# Altium PCB THE_FIRST.PcbDoc (part 1 of 2) (continued)
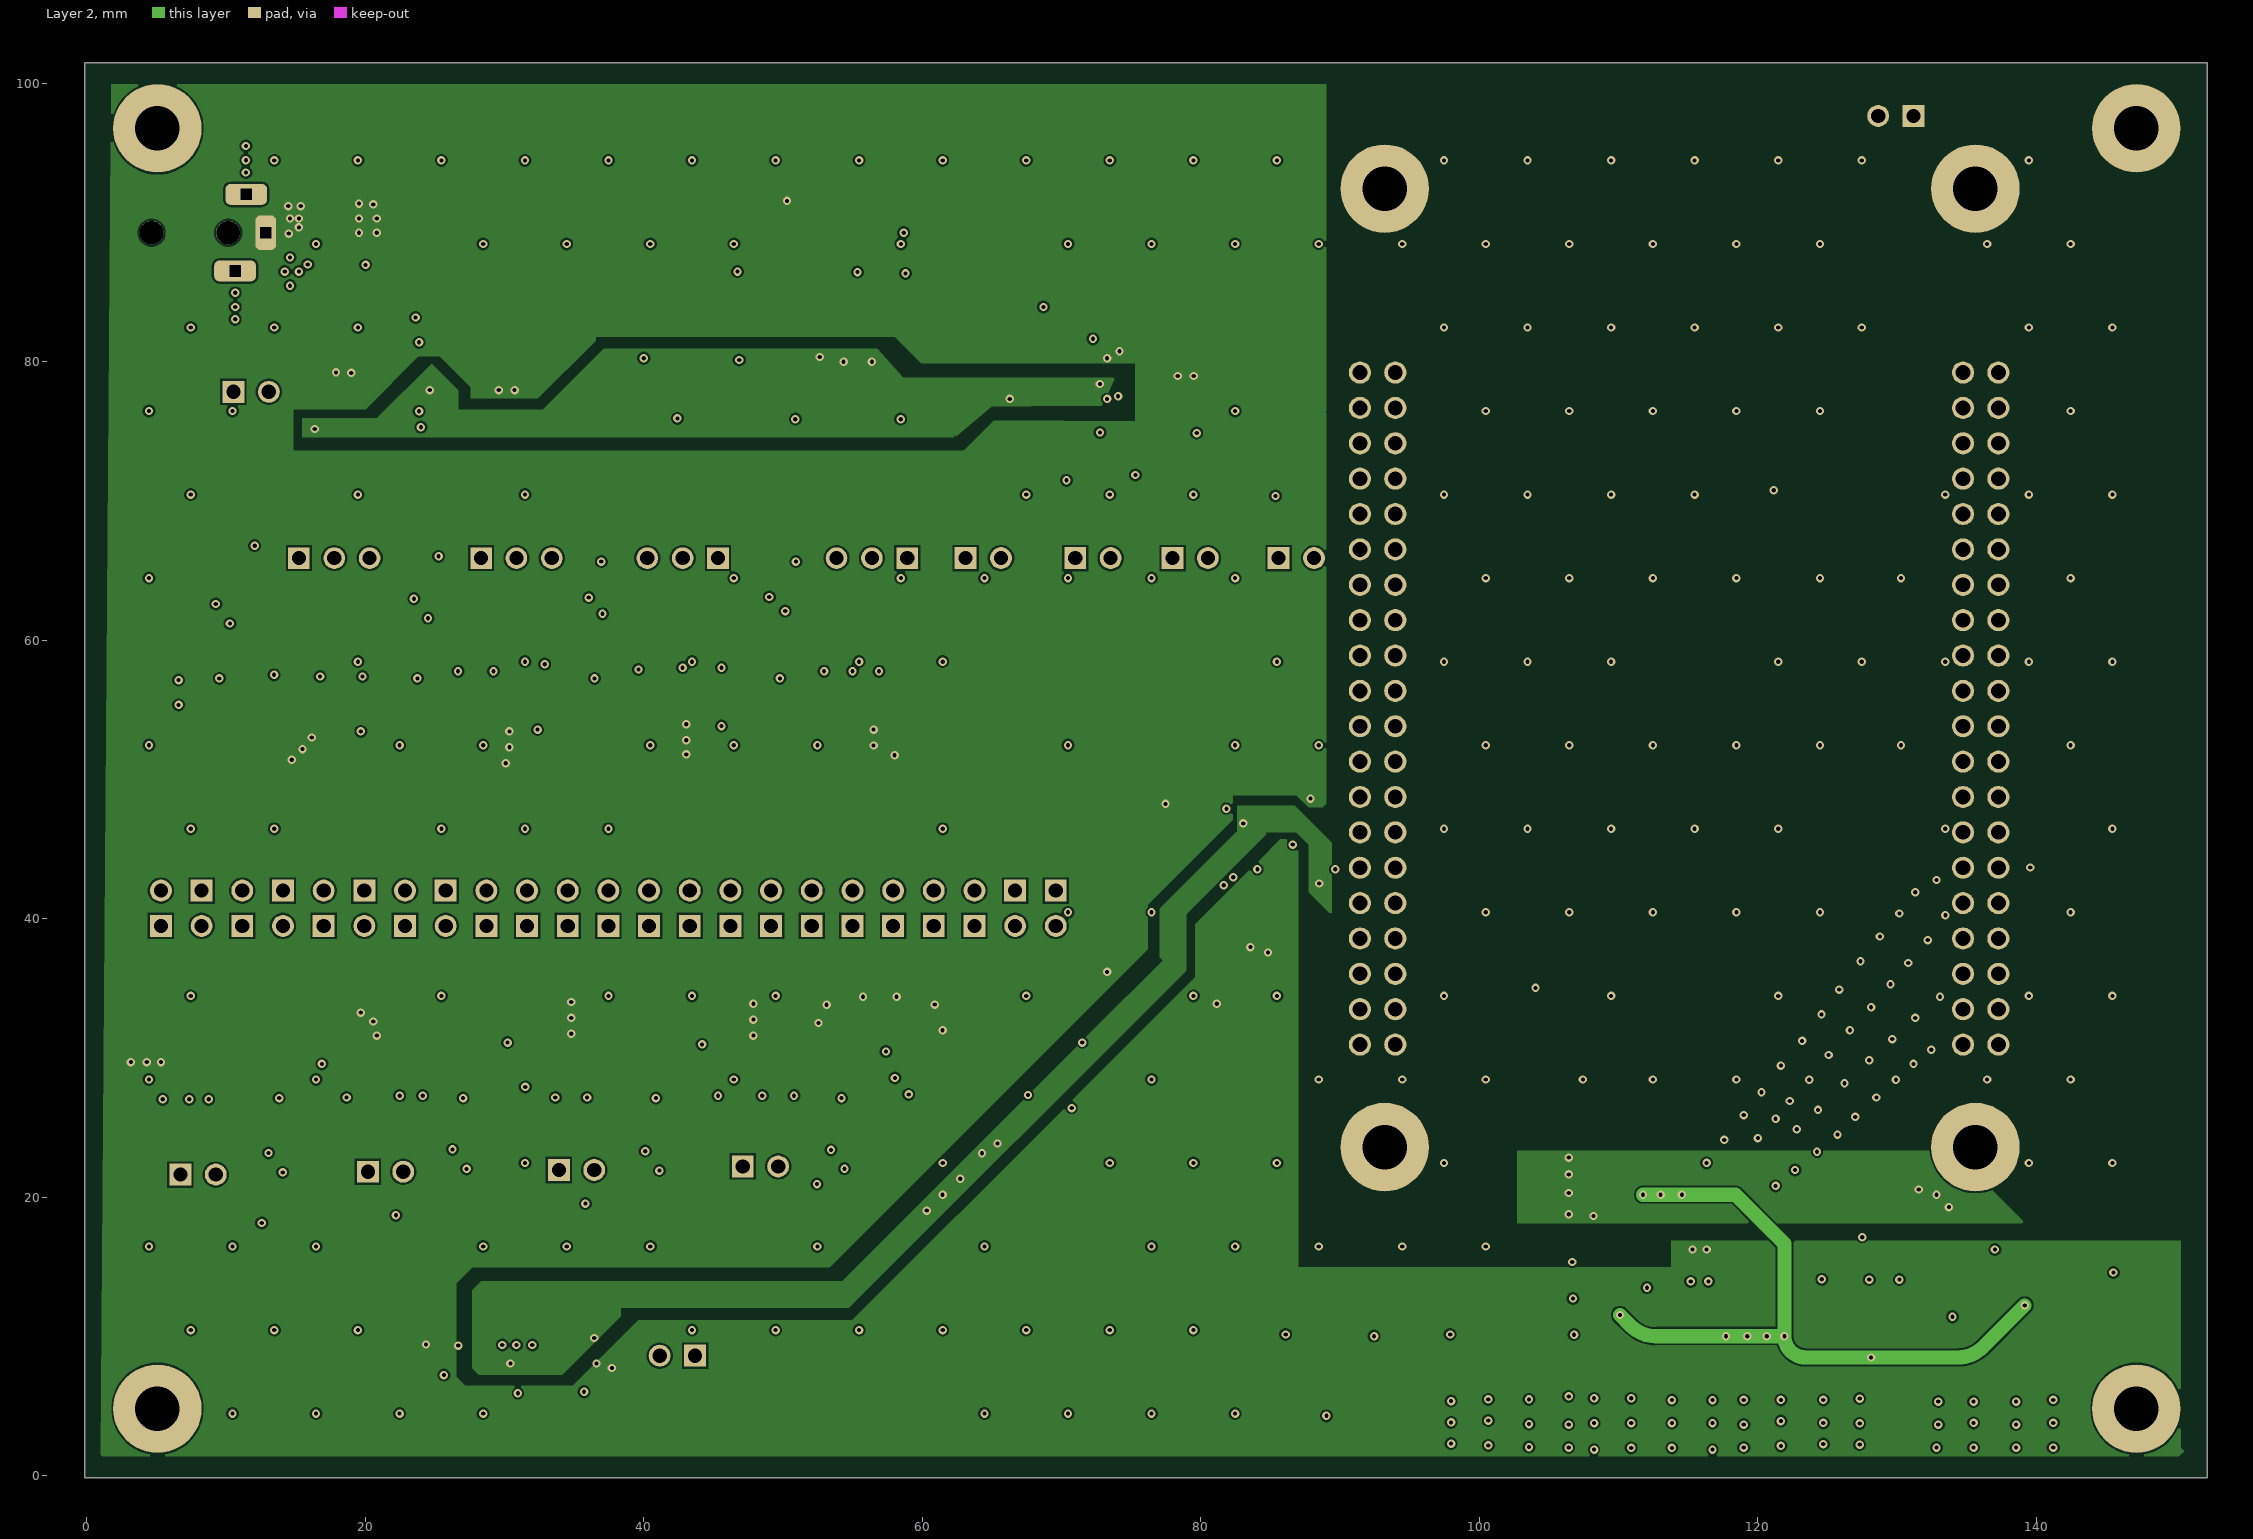
[diagram p3: Layer 2]
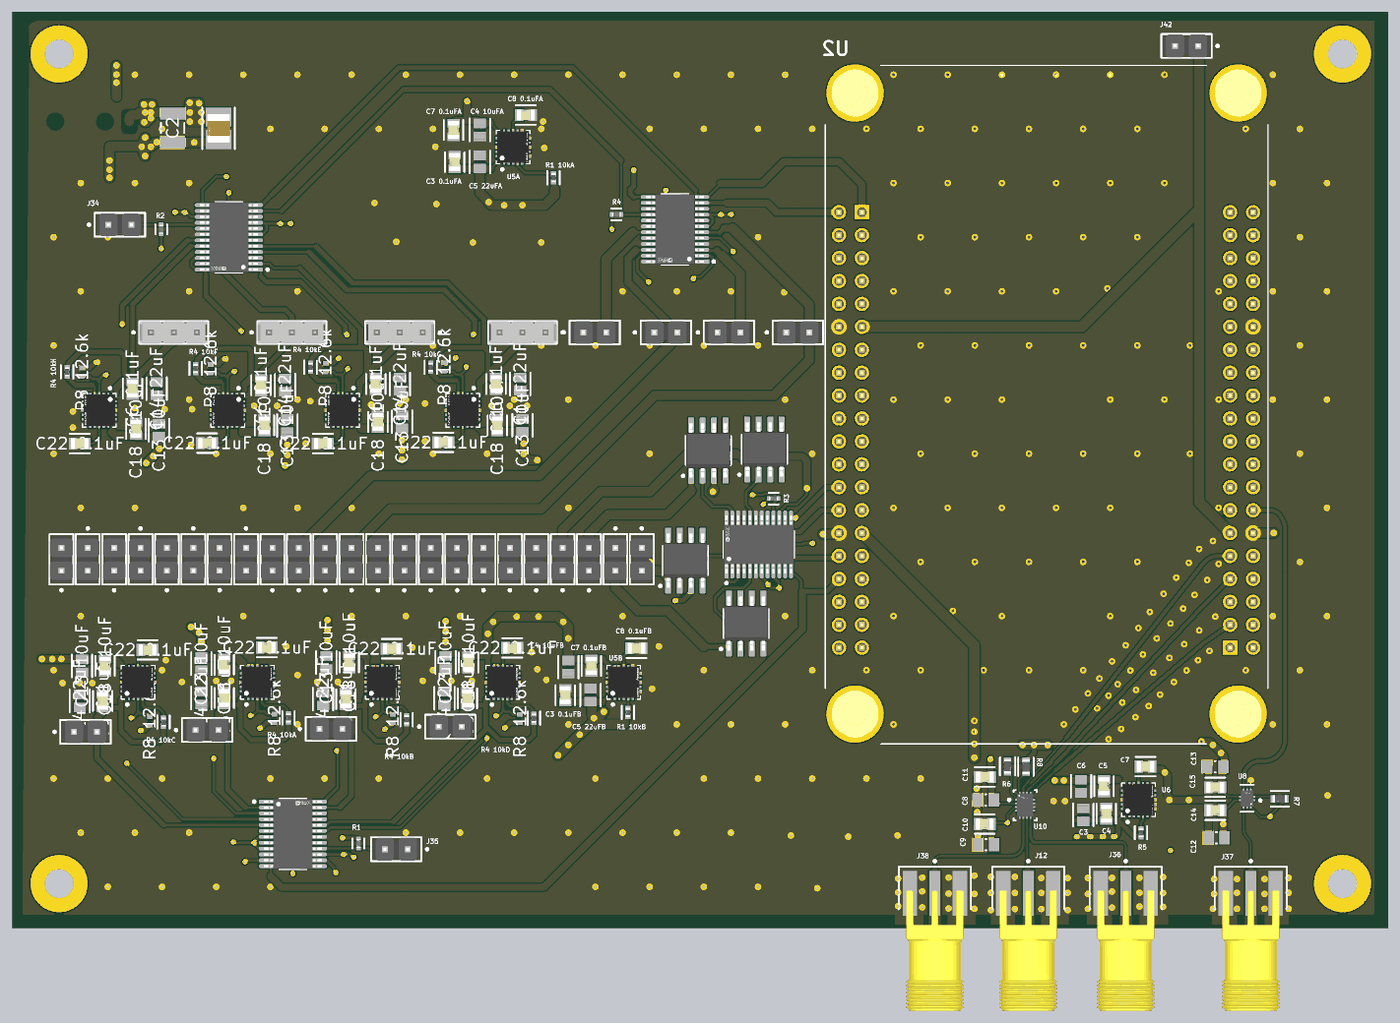
[diagram p5: 3D render of the assembled board from above, using the file's embedded part models]

## Layer stack, top to bottom
Top Solder: solder mask 0.0102, Solder Resist, Dk 3.5
Top Layer: signal copper 0.035
Dielectric 2: prepreg 0.105, PP-016, Dk 4.4
Layer 1: signal copper 0.035
Core: core 1.2, Core-042, Dk 4.6
Layer 2: signal copper 0.035
Dielectric 3: prepreg 0.105, PP-016, Dk 4.4
Bottom Layer: signal copper 0.035
Bottom Solder: solder mask 0.0102, Solder Resist, Dk 3.5

## Board outline
-0.127,-0.127 152.273,-0.127 152.273,101.473 -0.127,101.473

## Design rules (kind name [scope] priority, off if disabled: settings)
BoardOutlineClearance [All] p1: gap=0.4 ignorepadtopadclearanceinfootprint=FALSE
Clearance [All] p1: gap=0.15 ignorepadtopadclearanceinfootprint=TRUE
ComponentClearance [All] p1: gap=0 collisioncheckmode=3 verticalgap=0 showdistances=FALSE
ComponentOrientations [All] p1: allowedrotations=32
HoleSize [All] p1: absolutevalues=TRUE maxlimit=10 minlimit=0.1 maxpercent=80.000 minpercent=20.000
HoleToHoleClearance [All] p1: gap=0.15 allowstackedmicrovias=TRUE
Length [All] p1 off: maxlimit=50 minlimit=0
MatchedLengths [All] p1 off: tolerance=0 checknetsindiffpair=FALSE checkdiffpairvsdiffpair=TRUE checkxsignals=TRUE checkothers=TRUE
MaximumViaCount [All] p1 off: limit=1000
MinimumAnnularRing [All] p1: minimumring=0.1
MinimumSolderMaskSliver [All] p1: minsoldermaskwidth=0.08
ParallelSegment [All] p1 off: limit=254 gap=0.254
PermittedLayers [All] p1: toplayerpermitted=TRUE bottomlayerpermitted=TRUE
PlaneClearance [All] p1: clearance=0.3
PlaneConnect [All] p1: planeconnectstyle=Direct reliefexpansion=0.508 reliefentries=4 reliefconductorwidth=0.254 reliefairgap=0.254
PolygonConnect [All] p1: connectstyle=Direct reliefconductorwidth=0.254 reliefentries=4 polygonreliefangle="90 Angle" airgapwidth=0.254
ReturnPath [All] p1 off: impedanceprofileid={FDE4D1B7-3BA4-4A09-95AE-B8DD30F6AE46} _gaplimit=0 _useantipads=TRUE
RoomDefinition U_ldo1 [InComponentClass('U_ldo1')] p1: confinementstyle=ConfineIn formatcopy=TRUE lockcomponents=FALSE outline 19.558,22.098 31.369,22.098 31.369,32.258 19.558,32.258
RoomDefinition U_ldo7 [InComponentClass('U_ldo7')] p2: confinementstyle=ConfineIn formatcopy=TRUE lockcomponents=FALSE outline 45.339,52.451 57.658,52.451 57.658,63.119 45.339,63.119
RoomDefinition U_ldo5 [InComponentClass('U_ldo5')] p3: confinementstyle=ConfineIn formatcopy=TRUE lockcomponents=FALSE outline 32.004,52.324 44.323,52.324 44.323,63.119 32.004,63.119
RoomDefinition U_ldo6 [InComponentClass('U_ldo6')] p4: confinementstyle=ConfineIn formatcopy=TRUE lockcomponents=FALSE outline 19.304,52.451 31.623,52.451 31.623,62.992 19.304,62.992
RoomDefinition U_ldo8 [InComponentClass('U_ldo8')] p5: confinementstyle=ConfineIn formatcopy=TRUE lockcomponents=FALSE outline 5.08,52.324 17.399,52.324 17.399,62.611 5.08,62.611
RoomDefinition U_LDO3.32 [InComponentClass('U_LDO3.32')] p6: confinementstyle=ConfineIn formatcopy=TRUE lockcomponents=FALSE outline 59.817,22.733 70.612,22.733 70.612,32.131 59.817,32.131
RoomDefinition U_ldo4 [InComponentClass('U_ldo4')] p7: confinementstyle=ConfineIn formatcopy=TRUE lockcomponents=FALSE outline 46.482,22.098 58.547,22.098 58.547,32.131 46.482,32.131
RoomDefinition U_LDO3.31 [InComponentClass('U_LDO3.31')] p8: confinementstyle=ConfineIn formatcopy=TRUE lockcomponents=FALSE outline 47.498,82.042 60.706,82.042 60.706,91.186 47.498,91.186
RoomDefinition U_ldo3 [InComponentClass('U_ldo3')] p9: confinementstyle=ConfineIn formatcopy=TRUE lockcomponents=FALSE outline 6.096,21.717 17.526,21.717 17.526,32.004 6.096,32.004
RoomDefinition U_ldo2 [InComponentClass('U_ldo2')] p10: confinementstyle=ConfineIn formatcopy=TRUE lockcomponents=FALSE outline 33.02,21.844 44.45,21.844 44.45,32.131 33.02,32.131
RoutingVias [All] p1: holewidth=0.3 width=0.6 viastyle="Through Hole" minholewidth=0.2 minwidth=0.4 maxholewidth=0.8 maxwidth=1.2
SMDEntry [All] p1: side=TRUE corner=TRUE anyangle=TRUE
SMDNeckDown [All] p1: percent=100.000
SMDToCorner [All] p1: distance=0
SilkToSolderMaskClearance [IsPad] p1: minsilkscreentomaskgap=0.254 clearancetoexposedcopper=FALSE
SolderMaskExpansion [All] p1: expansion=0.06 istentingtop=FALSE
StubLength [All] p1 off: limit=0
SupplyNets "Schematic Supply Nets" [InNet('GND')] p1: voltage=0.000
UnRoutedNet [All] p1: checkbadconnections=TRUE
ViasUnderSMD [All] p1 off: allowed=TRUE
Width [All] p1: maxlimit=1.25 minlimit=0.15 preferedwidth=0.2
22 further rules are at their usual default settings.

## Classes and differential pairs
component class U_BUFFER_BTOA: C8 C9 C10 C11 R6 R8 U10
component class U_ldo1.1: C3 C4 C5 C6 C7 R5 U6
component class U_BUFFER_ATOB: C12 C13 C14 C15 R7 U8
channel class LDO3.3: U_LDO3.31 U_LDO3.32
component class U_LDO3.32: "C3 0.1uFB" "C4 10uFB" "C5 22uFB" "C7 0.1uFB" "C8 0.1uFB" "R1 10kB" U5B
component class U_LDO3.31: "C3 0.1uFA" "C4 10uFA" "C5 22uFA" "C7 0.1uFA" "C8 0.1uFA" "R1 10kA" U5A
channel class DP10: U_DP101 U_DP102
component class U_DP102: U3B
component class U_DP101: U3A
channel class lm334sm: U_lm334sm1 U_lm334sm2 U_lm334sm3 U_lm334sm4
channel class ldo: U_ldo1 U_ldo2 U_ldo3 U_ldo4 U_ldo5 U_ldo6 U_ldo7 U_ldo8
channel class DP: U_DP1 U_DP2
component class U_lm334sm4: U1D
component class U_lm334sm3: U1C
component class U_lm334sm2: U1B
component class U_lm334sm1: U1A
component class U_ldo8: "C6 0.1uFH" "C13 10uFH" "C14 22uFH" "C18 0.10uFH" "C22 0.1uFH" "R4 10kH" "R8 12.6kH" U4H
component class U_ldo7: "C6 0.1uFG" "C13 10uFG" "C14 22uFG" "C18 0.10uFG" "C22 0.1uFG" "R4 10kG" "R8 12.6kG" U4G
component class U_ldo6: "C6 0.1uFF" "C13 10uFF" "C14 22uFF" "C18 0.10uFF" "C22 0.1uFF" "R4 10kF" "R8 12.6kF" U4F
component class U_ldo5: "C6 0.1uFE" "C13 10uFE" "C14 22uFE" "C18 0.10uFE" "C22 0.1uFE" "R4 10kE" "R8 12.6kE" U4E
component class U_ldo4: "C6 0.1uFD" "C13 10uFD" "C14 22uFD" "C18 0.10uFD" "C22 0.1uFD" "R4 10kD" "R8 12.6kD" U4D
component class U_ldo3: "C6 0.1uFC" "C13 10uFC" "C14 22uFC" "C18 0.10uFC" "C22 0.1uFC" "R4 10kC" "R8 12.6kC" U4C
component class U_ldo2: "C6 0.1uFB" "C13 10uFB" "C14 22uFB" "C18 0.10uFB" "C22 0.1uFB" "R4 10kB" "R8 12.6kB" U4B
component class U_ldo1: "C6 0.1uFA" "C13 10uFA" "C14 22uFA" "C18 0.10uFA" "C22 0.1uFA" "R4 10kA" "R8 12.6kA" U4A
component class U_DP2: U9B
component class U_DP1: U9A
component class THE_FIRST: C1 C2 J1 J2 J3 J4 J5 J6 J7 J8 J9 J10 J11 J12 J13 J14 J15 J16 J17 J18 J19 J20 J21 J22 J23 J24 J25 J26 J27 J28 J29 J30 J31 J32 J33 J34 J35 J36 J37 J38 J42 P1 P2 P3 P4 R1 R2 R3 R4 U2

## Components (designator, comment, footprint, x,y, rotation, side; value= is the part's Value field where it differs from the comment)
C1 "GRM32ER71A476ME15L" FP-GRM32E-0_3-0_2-IPC_A 22.733,88.538 r270 top
C2 "CAP 100nF 16V 1210(3225)" CAPC1210(3225)115_M 17.653,88.57 r90 top value=100nF
C3 "CL21A226MOCLRNC" FP-CL21-IPC_C 118.491,12.446 r90 top
"C3 0.1uFA" "C0805C104K4RAC" FP-C0805C-DN-MFG 48.878,84.8 r90 top value="0.10 μF" (schematic designator "C3 0.1uF")
"C3 0.1uFB" "C0805C104K4RAC" FP-C0805C-DN-MFG 61.123,25.709 r90 top value="0.10 μF" (schematic designator "C3 0.1uF")
C4 "C0805C104K4RAC" FP-C0805C-DN-MFG 121.031,12.573 r90 top value="0.10 μF"
"C4 10uFA" "CL21A106KOQNNNG" FP-CL21-IPC_C 51.672,88.356 r270 top (schematic designator "C4 10uF")
"C4 10uFB" "CL21A106KOQNNNG" FP-CL21-IPC_C 61.468,28.829 r270 top (schematic designator "C4 10uF")
C5 "0.1 uF C0805C104K4RAC" FP-C0805C-DN-MFG 120.777,15.621 r270 top value="0.10 μF"
"C5 22uFA" "CL21A226MOCLRNC" FP-CL21-IPC_C 51.672,84.8 r90 top (schematic designator "C5 22uF")
"C5 22uFB" "CL21A226MOCLRNC" FP-CL21-IPC_C 63.917,25.709 r90 top (schematic designator "C5 22uF")
C6 "CL21A106KOQNNNG" FP-CL21-IPC_C 118.237,15.621 r270 top
"C6 0.1uFA" "C0805C104K4RAC" FP-C0805C-DN-MFG 23.368,25.4 r90 top value="0.10 μF" (schematic designator "C6 0.1uF")
"C6 0.1uFB" "C0805C104K4RAC" FP-C0805C-DN-MFG 36.839,25.275 r90 top value="0.10 μF" (schematic designator "C6 0.1uF")
"C6 0.1uFC" "C0805C104K4RAC" FP-C0805C-DN-MFG 9.906,25.074 r90 top value="0.10 μF" (schematic designator "C6 0.1uF")
"C6 0.1uFD" "C0805C104K4RAC" FP-C0805C-DN-MFG 50.292,25.364 r90 top value="0.10 μF" (schematic designator "C6 0.1uF")
"C6 0.1uFE" "C0805C104K4RAC" FP-C0805C-DN-MFG 40.156,60.198 r270 top value="0.10 μF" (schematic designator "C6 0.1uF")
"C6 0.1uFF" "C0805C104K4RAC" FP-C0805C-DN-MFG 27.432,60.071 r270 top value="0.10 μF" (schematic designator "C6 0.1uF")
"C6 0.1uFG" "C0805C104K4RAC" FP-C0805C-DN-MFG 53.467,60.198 r270 top value="0.10 μF" (schematic designator "C6 0.1uF")
"C6 0.1uFH" "C0805C104K4RAC" FP-C0805C-DN-MFG 13.208,59.69 r270 top value="0.10 μF" (schematic designator "C6 0.1uF")
C7 "C0805C104K4RAC" FP-C0805C-DN-MFG 125.377,17.788 r0 top value="0.10 μF"
"C7 0.1uFA" "0.1 uF C0805C104K4RAC" FP-C0805C-DN-MFG 48.751,88.344 r270 top value="0.10 μF" (schematic designator "C7 0.1uF")
"C7 0.1uFB" "0.1 uF C0805C104K4RAC" FP-C0805C-DN-MFG 64.008,28.956 r270 top value="0.10 μF" (schematic designator "C7 0.1uF")
C8 "CAP 1uF 16V 0805(2012)" CAPC0805(2012)100_N 107.685,14.097 r180 top value=1uF
"C8 0.1uFA" "C0805C104K4RAC" FP-C0805C-DN-MFG 56.764,90.007 r0 top value="0.10 μF" (schematic designator "C8 0.1uF")
"C8 0.1uFB" "C0805C104K4RAC" FP-C0805C-DN-MFG 69.009,30.916 r0 top value="0.10 μF" (schematic designator "C8 0.1uF")
C9 "CAP 1uF 16V 0805(2012)" CAPC0805(2012)100_N 107.707,9.144 r180 top value=1uF
C10 "C0805C104K4RAC" FP-C0805C-DN-MFG 107.569,11.43 r180 top value="0.10 μF"
C11 "C0805C104K4RAC" FP-C0805C-DN-MFG 107.581,16.637 r180 top value="0.10 μF"
C12 "CAP 1uF 16V 0805(2012)" CAPC0805(2012)100_N 133.227,9.906 r180 top value=1uF
C13 "CAP 1uF 16V 0805(2012)" CAPC0805(2012)100_N 133.096,17.78 r180 top value=1uF
"C13 10uFA" "CL21A106KOQNNNG" FP-CL21-IPC_C 20.828,29.21 r270 top (schematic designator "C13 10uF")
"C13 10uFB" "CL21A106KOQNNNG" FP-CL21-IPC_C 34.671,29.337 r270 top (schematic designator "C13 10uF")
"C13 10uFC" "CL21A106KOQNNNG" FP-CL21-IPC_C 7.62,28.956 r270 top (schematic designator "C13 10uF")
"C13 10uFD" "CL21A106KOQNNNG" FP-CL21-IPC_C 47.879,29.337 r270 top (schematic designator "C13 10uF")
"C13 10uFE" "CL21A106KOQNNNG" FP-CL21-IPC_C 43.053,56.007 r90 top (schematic designator "C13 10uF")
"C13 10uFF" "CL21A106KOQNNNG" FP-CL21-IPC_C 30.353,55.59 r90 top (schematic designator "C13 10uF")
"C13 10uFG" "CL21A106KOQNNNG" FP-CL21-IPC_C 56.388,55.626 r90 top (schematic designator "C13 10uF")
"C13 10uFH" "CL21A106KOQNNNG" FP-CL21-IPC_C 16.129,55.082 r90 top (schematic designator "C13 10uF")
C14 "C0805C104K4RAC" FP-C0805C-DN-MFG 133.108,12.954 r180 top value="0.10 μF"
"C14 22uFA" "CL21A226MOCLRNC" FP-CL21-IPC_C 20.828,25.4 r90 top (schematic designator "C14 22uF")
"C14 22uFB" "CL21A226MOCLRNC" FP-CL21-IPC_C 34.299,25.275 r90 top (schematic designator "C14 22uF")
"C14 22uFC" "CL21A226MOCLRNC" FP-CL21-IPC_C 7.366,25.074 r90 top (schematic designator "C14 22uF")
"C14 22uFD" "CL21A226MOCLRNC" FP-CL21-IPC_C 47.752,25.364 r90 top (schematic designator "C14 22uF")
"C14 22uFE" "CL21A226MOCLRNC" FP-CL21-IPC_C 42.823,60.198 r270 top (schematic designator "C14 22uF")
"C14 22uFF" "CL21A226MOCLRNC" FP-CL21-IPC_C 30.099,60.071 r270 top (schematic designator "C14 22uF")
"C14 22uFG" "CL21A226MOCLRNC" FP-CL21-IPC_C 56.134,60.198 r270 top (schematic designator "C14 22uF")
"C14 22uFH" "CL21A226MOCLRNC" FP-CL21-IPC_C 15.875,59.69 r270 top (schematic designator "C14 22uF")
C15 "C0805C104K4RAC" FP-C0805C-DN-MFG 133.096,15.494 r180 top value="0.10 μF"
"C18 0.10uFA" "C0805C104K4RAC" FP-C0805C-DN-MFG 23.368,29.083 r270 top value="0.10 μF" (schematic designator "C18 0.10uF")
"C18 0.10uFB" "C0805C104K4RAC" FP-C0805C-DN-MFG 37.211,29.337 r270 top value="0.10 μF" (schematic designator "C18 0.10uF")
"C18 0.10uFC" "C0805C104K4RAC" FP-C0805C-DN-MFG 10.16,28.968 r270 top value="0.10 μF" (schematic designator "C18 0.10uF")
"C18 0.10uFD" "C0805C104K4RAC" FP-C0805C-DN-MFG 50.419,29.337 r270 top value="0.10 μF" (schematic designator "C18 0.10uF")
"C18 0.10uFE" "C0805C104K4RAC" FP-C0805C-DN-MFG 40.386,55.995 r90 top value="0.10 μF" (schematic designator "C18 0.10uF")
"C18 0.10uFF" "C0805C104K4RAC" FP-C0805C-DN-MFG 27.813,55.614 r90 top value="0.10 μF" (schematic designator "C18 0.10uF")
"C18 0.10uFG" "C0805C104K4RAC" FP-C0805C-DN-MFG 53.594,55.614 r90 top value="0.10 μF" (schematic designator "C18 0.10uF")
"C18 0.10uFH" "C0805C104K4RAC" FP-C0805C-DN-MFG 13.589,55.233 r90 top value="0.10 μF" (schematic designator "C18 0.10uF")
"C22 0.1uFA" "C0805C104K4RAC" FP-C0805C-DN-MFG 28.079,30.988 r0 top value="0.10 μF" (schematic designator "C22 0.1uF")
"C22 0.1uFB" "C0805C104K4RAC" FP-C0805C-DN-MFG 41.922,30.861 r0 top value="0.10 μF" (schematic designator "C22 0.1uF")
"C22 0.1uFC" "C0805C104K4RAC" FP-C0805C-DN-MFG 14.871,30.734 r0 top value="0.10 μF" (schematic designator "C22 0.1uF")
"C22 0.1uFD" "C0805C104K4RAC" FP-C0805C-DN-MFG 55.257,30.952 r0 top value="0.10 μF" (schematic designator "C22 0.1uF")
"C22 0.1uFE" "C0805C104K4RAC" FP-C0805C-DN-MFG 34.29,53.594 r180 top value="0.10 μF" (schematic designator "C22 0.1uF")
"C22 0.1uFF" "C0805C104K4RAC" FP-C0805C-DN-MFG 21.463,53.643 r180 top value="0.10 μF" (schematic designator "C22 0.1uF")
"C22 0.1uFG" "C0805C104K4RAC" FP-C0805C-DN-MFG 47.625,53.721 r180 top value="0.10 μF" (schematic designator "C22 0.1uF")
"C22 0.1uFH" "C0805C104K4RAC" FP-C0805C-DN-MFG 7.366,53.594 r180 top value="0.10 μF" (schematic designator "C22 0.1uF")
J1 "694101308002" 694101308002 1277.16,-1180.719 r270 top
J2 "M20-9990246" FP-M20-9990246-MFG 14.097,40.767 r270 top
J3 "M20-9990246" FP-M20-9990246-MFG 19.939,40.767 r270 top
J4 "M20-9990246" FP-M20-9990246-MFG 8.255,40.767 r270 top
J5 "M20-9990246" FP-M20-9990246-MFG 64.389,65.913 r0 top
J6 "M20-9990246" FP-M20-9990246-MFG 25.781,40.767 r270 top
J7 "M20-9990246" FP-M20-9990246-MFG 21.463,21.844 r0 top
J8 "M20-9990246" FP-M20-9990246-MFG 35.179,21.971 r0 top
J9 "M20-9990246" FP-M20-9990246-MFG 17.018,40.767 r90 top
J10 "M20-9990246" FP-M20-9990246-MFG 79.248,65.913 r0 top
J11 "M20-9990246" FP-M20-9990246-MFG 8.001,21.645 r0 top
J12 "CON-SMA-EDGE-S" FP-CON-SMA-EDGE-S-MFG 112.395,-3.519 r180 top
J13 "M20-9990246" FP-M20-9990246-MFG 72.263,65.913 r0 top
J14 "M20-9990246" FP-M20-9990246-MFG 48.387,22.225 r0 top
J15 "M20-9990246" FP-M20-9990246-MFG 11.176,40.767 r90 top
J16 "M20-9990246" FP-M20-9990246-MFG 69.596,40.767 r270 top
J17 "M20-9990246" FP-M20-9990246-MFG 63.754,40.767 r90 top
J18 "M20-9990246" FP-M20-9990246-MFG 66.675,40.767 r270 top
J19 "M20-9990246" FP-M20-9990246-MFG 60.833,40.767 r90 top
J20 "M20-9990246" FP-M20-9990246-MFG 22.86,40.767 r90 top
J21 "M20-9990246" FP-M20-9990246-MFG 5.334,40.767 r90 top
J22 "M20-9990246" FP-M20-9990246-MFG 28.702,40.767 r90 top
J23 "M20-9990246" FP-M20-9990246-MFG 34.544,40.767 r90 top
J24 "M20-9990246" FP-M20-9990246-MFG 31.623,40.767 r90 top
J25 "M20-9990246" FP-M20-9990246-MFG 37.465,40.767 r90 top
J26 "M20-9990246" FP-M20-9990246-MFG 43.307,40.767 r90 top
J27 "M20-9990246" FP-M20-9990246-MFG 40.386,40.767 r90 top
J28 "M20-9990246" FP-M20-9990246-MFG 86.868,65.913 r0 top
J29 "M20-9990246" FP-M20-9990246-MFG 49.149,40.767 r90 top
J30 "M20-9990246" FP-M20-9990246-MFG 52.07,40.767 r90 top
J31 "M20-9990246" FP-M20-9990246-MFG 54.991,40.767 r90 top
J32 "M20-9990246" FP-M20-9990246-MFG 46.228,40.767 r90 top
J33 "M20-9990246" FP-M20-9990246-MFG 57.912,40.767 r90 top
J34 "M20-9990246" FP-M20-9990246-MFG 11.811,77.851 r0 top
J35 "M20-9990246" FP-M20-9990246-MFG 42.418,8.636 r180 top
J36 "CON-SMA-EDGE-S" FP-CON-SMA-EDGE-S-MFG 123.19,-3.519 r180 top
J37 "CON-SMA-EDGE-S" FP-CON-SMA-EDGE-S-MFG 137.033,-3.519 r180 top
J38 "CON-SMA-EDGE-S" FP-CON-SMA-EDGE-S-MFG 102.05,-3.519 r180 top
J42 "M20-9990246" FP-M20-9990246-MFG 129.921,97.663 r180 top
P1 "22-28-4033" MOLX-22-28-4033_V 30.861,65.913 r0 top
P2 "22-28-4033" MOLX-22-28-4033_V 42.799,65.913 r180 top
P3 "22-28-4033" MOLX-22-28-4033_V 56.388,65.913 r180 top
P4 "22-28-4033" MOLX-22-28-4033_V 17.78,65.913 r0 top
R1 "ERA-2AEB222X" FP-ERA2A-MFG 38.227,9.271 r270 top value=2.2kΩ
"R1 10kA" "RC1005F103CS" FP-RC1005-IPC_B 59.817,83.058 r270 top (schematic designator "R1 10k")
"R1 10kB" "RC1005F103CS" FP-RC1005-IPC_B 68.072,23.797 r270 top (schematic designator "R1 10k")
R2 "ERA-2AEB222X" FP-ERA2A-MFG 16.383,77.343 r90 top value=2.2kΩ
R3 "ERA-2AEB222X" FP-ERA2A-MFG 84.197,47.498 r0 top value=2.2kΩ
R4 "ERA-2AEB222X" FP-ERA2A-MFG 66.798,78.994 r0 top value=2.2kΩ
"R4 10kA" "RC1005F103CS" FP-RC1005-IPC_B 30.48,23.193 r270 top (schematic designator "R4 10k")
"R4 10kB" "RC1005F103CS" FP-RC1005-IPC_B 43.561,22.987 r270 top (schematic designator "R4 10k")
"R4 10kC" "RC1005F103CS" FP-RC1005-IPC_B 16.637,22.733 r270 top (schematic designator "R4 10k")
"R4 10kD" "RC1005F103CS" FP-RC1005-IPC_B 57.658,23.157 r270 top (schematic designator "R4 10k")
"R4 10kE" "RC1005F103CS" FP-RC1005-IPC_B 32.917,62.055 r90 top (schematic designator "R4 10k")
"R4 10kF" "RC1005F103CS" FP-RC1005-IPC_B 20.193,61.928 r90 top (schematic designator "R4 10k")
"R4 10kG" "RC1005F103CS" FP-RC1005-IPC_B 46.228,62.055 r90 top (schematic designator "R4 10k")
"R4 10kH" "RC1005F103CS" FP-RC1005-IPC_B 5.969,61.547 r90 top (schematic designator "R4 10k")
R5 "RC1005F103CS" FP-RC1005-IPC_B 124.881,10.47 r270 top
R6 "RC0603FR-0710KL" FP-RC0603-0_55-IPC_C 110.109,17.822 r270 top value=10kR
R7 "RC0603FR-0710KL" FP-RC0603-0_55-IPC_C 140.25,14.224 r180 top value=10kR
R8 "RC0603FR-0710KL" FP-RC0603-0_55-IPC_C 112.141,17.78 r90 top value=10kR
"R8 12.6kA" "RN73R1ETTP1262B25" RESC1005X40N 28.936,23.152 r90 top (schematic designator "R8 12.6k")
"R8 12.6kB" "RN73R1ETTP1262B25" RESC1005X40N 42.037,23.114 r90 top (schematic designator "R8 12.6k")
"R8 12.6kC" "RN73R1ETTP1262B25" RESC1005X40N 15.113,22.86 r90 top (schematic designator "R8 12.6k")
"R8 12.6kD" "RN73R1ETTP1262B25" RESC1005X40N 56.114,23.116 r90 top (schematic designator "R8 12.6k")
"R8 12.6kE" "RN73R1ETTP1262B25" RESC1005X40N 34.568,62.019 r270 top (schematic designator "R8 12.6k")
"R8 12.6kF" "RN73R1ETTP1262B25" RESC1005X40N 21.844,61.892 r270 top (schematic designator "R8 12.6k")
"R8 12.6kG" "RN73R1ETTP1262B25" RESC1005X40N 47.752,62.103 r270 top (schematic designator "R8 12.6k")
"R8 12.6kH" "RN73R1ETTP1262B25" RESC1005X40N 7.62,61.511 r270 top (schematic designator "R8 12.6k")
U1A "LM334SM/NOPB" D0008A_M 74.422,40.64 r90 top (schematic designator U1)
U1B "LM334SM/NOPB" D0008A_M 76.962,52.832 r90 top (schematic designator U1)
U1C "LM334SM/NOPB" D0008A_M 81.153,33.655 r90 top (schematic designator U1)
U1D "LM334SM/NOPB" D0008A_M 83.185,52.959 r90 top (schematic designator U1)
U2 "P0082_BOTTOMMOUNT" MODULE_P0082_BOTTOMMOUNT 114.427,57.906 r180 top
U3A "AD5263BRUZ20-REEL7" FP-RU-24-IPC_A 82.55,42.418 r90 top (schematic designator U3)
U3B "AD5263BRUZ20-REEL7" FP-RU-24-IPC_A 73.279,77.343 r180 top (schematic designator U3)
U4A "RAA214023GNP#HCA" L20_3_5x3_5_MFG 27.031,27.132 r90 top (schematic designator U4)
U4B "RAA214023GNP#HCA" L20_3_5x3_5_MFG 40.874,27.132 r90 top (schematic designator U4)
U4C "RAA214023GNP#HCA" L20_3_5x3_5_MFG 13.823,27.132 r90 top (schematic designator U4)
U4D "RAA214023GNP#HCA" L20_3_5x3_5_MFG 54.209,27.132 r90 top (schematic designator U4)
U4E "RAA214023GNP#HCA" L20_3_5x3_5_MFG 36.473,57.277 r270 top (schematic designator U4)
U4F "RAA214023GNP#HCA" L20_3_5x3_5_MFG 23.749,57.277 r270 top (schematic designator U4)
U4G "RAA214023GNP#HCA" L20_3_5x3_5_MFG 49.784,57.277 r270 top (schematic designator U4)
U4H "RAA214023GNP#HCA" L20_3_5x3_5_MFG 9.525,57.277 r270 top (schematic designator U4)
U5A "RAA214023GNP#HCA" L20_3_5x3_5_MFG 55.355,86.451 r90 top (schematic designator U5)